# Altium PCB 创世一号.PcbDoc (part 2 of 2)
Units mm, origin at the board's own origin, x right, y up, seen from the top; angles counter-clockwise.
Board outline 347.35 x 131.83 mm, 2 copper layers (Top Layer, Bottom Layer); 243 components, 173 nets, 1078 pads, 174 vias.
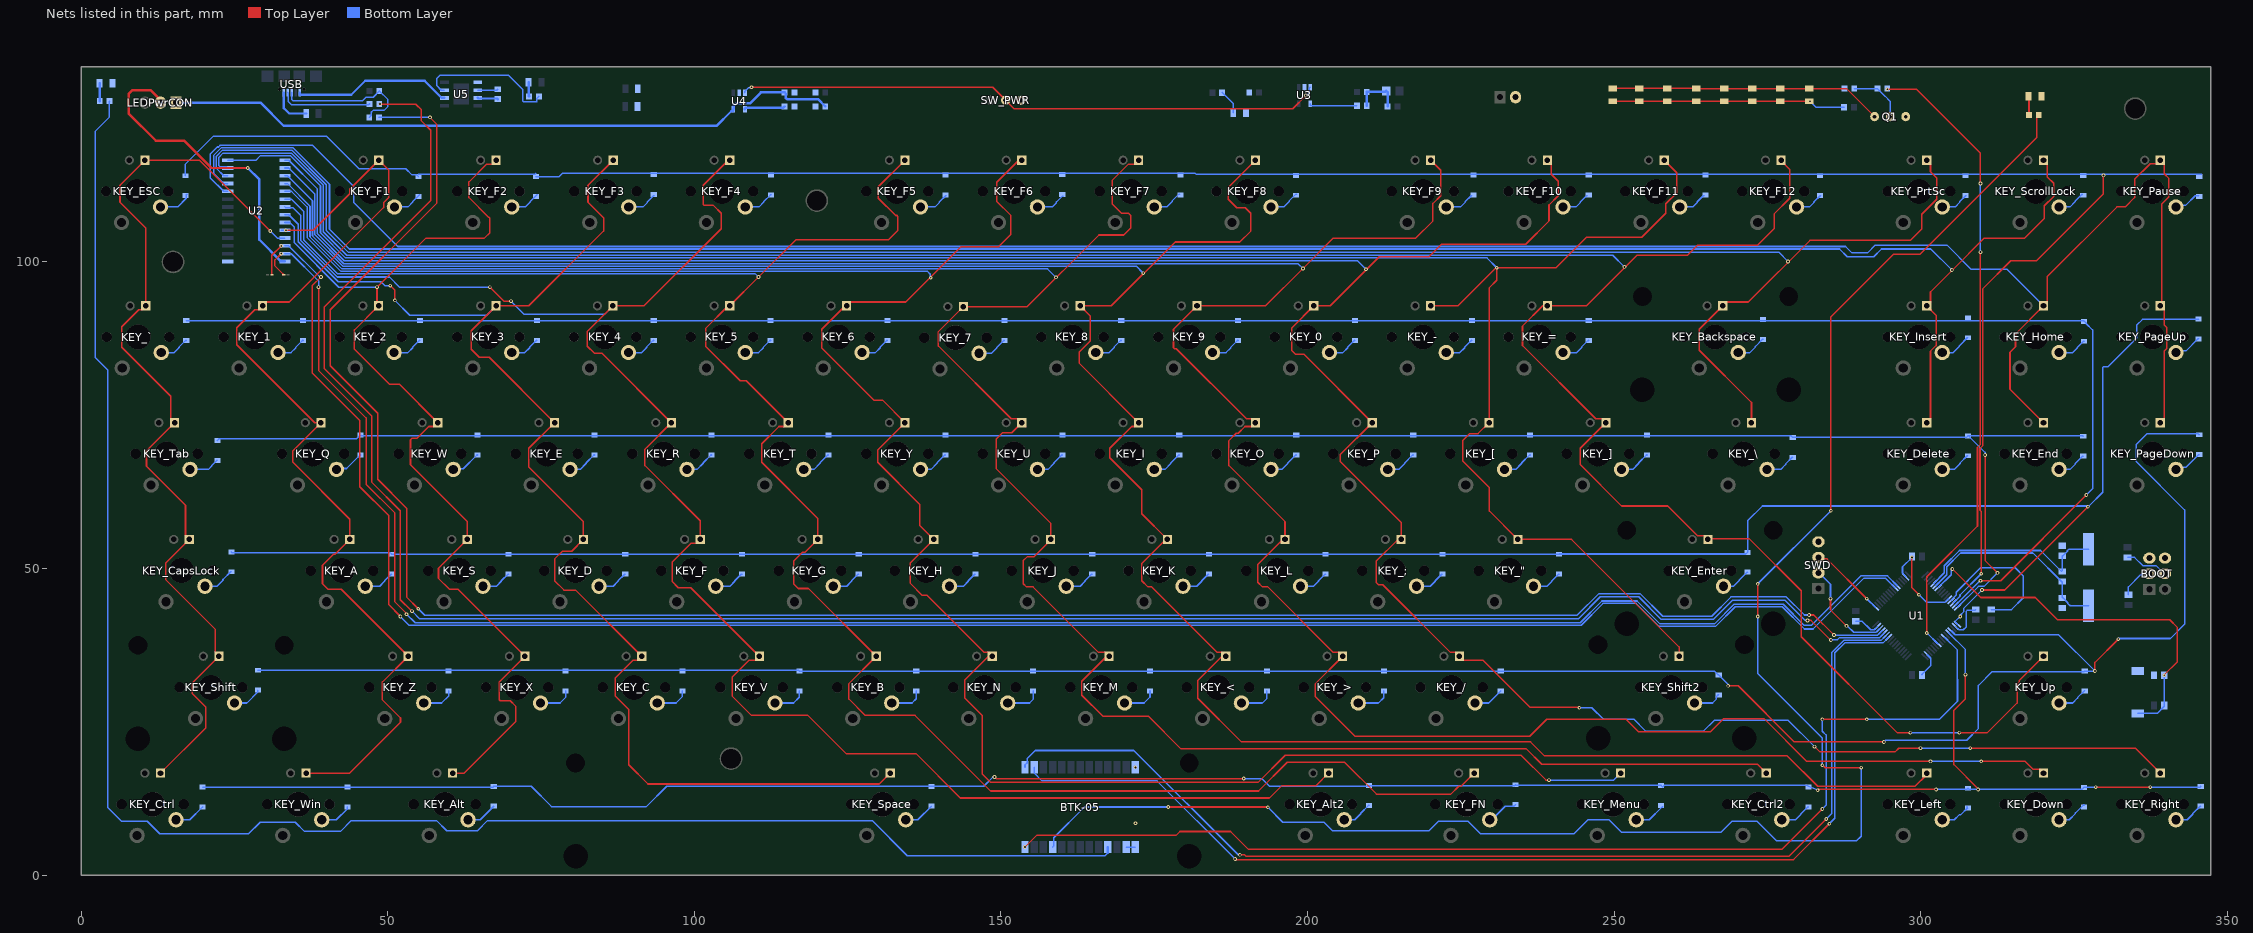
[diagram p2: the nets of this part, all layers, seen from the top]

## Via types
v1: diameter 0.6, hole 0.3, Top Layer to Bottom Layer, 168 vias
v2: diameter 0.5, hole 0.2, Top Layer to Bottom Layer, 6 vias

## Nets (pads, with @x,y where several pads share a name; then routed paths per layer and width w, separated by ;. In a path a pad name is that pad's centre, name@x,y a point inside that pad or via, vN(x,y) a via of type N, cw(c..) or ccw(c..) an arc to the next point about the centre after c; other vN are vias at no path point) (continued)
GND: BOOT.5 BOOT.6 BTK-05.13 BTK-05.22 BTK-05.23 C1.2 C2.2 C3.2 C4.2 C5.2 C6.2 C7.2 C8.2 C9.2 C10.2 C11.2 C12.2 C13.2 C14.2 C15.2 C16.2 C18.1 C19.1 CAPS_LED.2 PWR.2 Q1.3 R16.2 RPROG.1 S1.2 STATE_LED.2 SW_PWR.1 SWD.4 U1.12 U1.18 U1.31 U1.47 U1.63 U2.1 U3.2 U4.2 U5.1 U5.3 U5.6 USB.5 VBat.2 | length 70.2
  Top Layer w0.254: v1(298.577,51.816) 298.577,46.863 v1(299.72,45.72)
  Bottom Layer w0.254: BTK-05.23@170.441,4.572 BTK-05.22@171.941,4.572 ; C3.2@289.433,41.402 290.449,41.402 291.852,39.999 292.418,39.999 292.978,40.559 U1.47@293.01,40.559 ; U1.63@297.607,48.62 297.607,48.652 297.047,49.212 297.047,50.286 v1(298.577,51.816) ; v1(299.72,45.72) 300.916,44.524 304.015,44.524 304.574,45.084 U1.12@304.607,45.084 ; C5.2@300.228,32.639 300.228,32.766 301.631,34.169 301.631,35.37 301.071,35.93 U1.31@301.071,35.962 ; U1.18@305.668,40.559 305.7,40.559 306.26,39.999 306.953,39.999 307.467,40.513 307.467,43.053 307.616,43.202 308.886,43.202 C6.2@308.991,43.307
  Bottom Layer w0.4: USB.5@35.66,127.627 35.66,127.254 44.069,127.254 46.355,129.54 56.032,129.54 58.826,126.746 U5.6@59.251,126.746 ; U5.3@64.701,126.746 64.798,126.649 67.848,126.649 RPROG.1@67.945,126.552 ; C14.2@209.677,125.476 C16.2@209.677,127.717 212.68,127.717 C7.2@212.852,127.889 213.068,127.673 C15.2@213.068,125.349
  other v1: 171.958,8.46 171.941,17.572
I2C1_SCL: R8.2 U1.58 U2.26 | length 329.4
  Top Layer w0.254: R8.2@31.115,97.917 31.115,101.092 v1(32.639,102.616) ; v1(39.116,97.536) 37.719,96.139 37.719,81.875 45.466,74.128 45.466,63.333 50.165,58.634 50.165,44.129 52.07,42.224 v1(52.07,42.164)
  Bottom Layer w0.254: U2.26@33.25,102.616 33.875,102.616 38.889,97.602 39.05,97.602 v1(39.116,97.536) ; v1(52.07,42.164) 53.49,40.744 56.388,40.744 244.642,40.744 248.198,44.3 253.579,44.3 257.262,40.617 266.613,40.617 269.75,43.753 277.43,43.753 281.051,40.132 282.448,40.132 290.703,48.387 294.304,48.387 U1.58@295.839,46.852
I2C1_SDA: R14.2 U1.59 U2.27 | length 325.5
  Top Layer w0.254: v1(32.639,101.346) 31.623,100.33 31.623,99.354 32.937,98.04 32.937,97.94 32.96,97.917 R14.2@33.06,97.917 ; v1(38.735,95.885) 38.735,82.296 46.482,74.549 46.482,63.754 51.181,59.055 51.181,44.55 53.086,42.645 v1(53.086,42.545)
  Bottom Layer w0.254: U2.27@33.25,101.346 34.29,101.346 38.735,96.901 v1(38.735,95.885) ; v1(53.086,42.545) 54.483,41.148 56.388,41.148 244.475,41.148 248.031,44.704 253.746,44.704 257.429,41.021 266.446,41.021 269.582,44.157 277.597,44.157 280.987,40.767 282.194,40.767 290.218,48.791 294.607,48.791 U1.59@296.192,47.205
LED: R15.2 U1.26 | length 104
  Top Layer w0.254: v1(294.58,128.152) 299.33,128.152 309.753,117.729 v1(309.753,112.776) ; v1(300.99,39.497) 300.99,48.641 309.28,56.931 309.28,69.748 309.753,70.221 v1(309.753,101.6)
  Bottom Layer w0.254: v1(300.99,39.497) 301.04,39.497 302.807,37.73 U1.26@302.839,37.73 U1.26@302.839,37.698 ; v1(309.753,101.6) v1(309.753,112.776)
LED3V3: C11.1 C12.1 LEDPwrCON.1 U4.5 | length 111.5
  Bottom Layer w0.4: LEDPwrCON.1@15.494,125.984 29.25,125.984 33.06,122.174 103.651,122.174 106.04,124.563 106.265,124.563 106.365,124.663 U4.5@106.365,124.888 106.465,124.988 106.465,125.515 106.807,125.857 109.093,125.857 110.871,127.635 C11.1@114.732,127.635 114.935,127.432 114.935,126.726 115.169,126.492 120.243,126.492 121.361,125.374 C12.1@121.361,125.349
LRow0: KEY_`.3 KEY_CapsLock.3 KEY_Ctrl.3 KEY_ESC.3 KEY_Shift.3 KEY_Tab.3 U2.25 | length 152.6
  Top Layer w0.254: KEY_Ctrl.3@12.954,16.637 20.32,24.003 20.32,27.432 18.161,29.591 18.161,31.369 KEY_Shift.3@22.479,35.687 21.856,36.31 21.856,40.12 13.843,48.133 13.843,50.927 KEY_CapsLock.3@17.653,54.737 17.03,55.36 17.03,60.313 10.668,66.675 10.668,69.215 KEY_Tab.3@15.24,73.787 14.617,74.41 14.617,78.093 6.627,86.083 6.627,89.431 9.41,92.214 9.918,92.214 KEY_`.3@10.541,92.837 10.541,105.537 6.35,109.728 6.35,112.522 KEY_ESC.3@10.414,116.586 19.304,116.586 v1(30.861,105.029)
  Bottom Layer w0.254: v1(30.861,105.029) 32.004,103.886 U2.25@33.25,103.886
LRow1: KEY_1.3 KEY_A.3 KEY_F1.3 KEY_Q.3 KEY_Win.3 KEY_Z.3 U2.24 | length 169.1
  Top Layer w0.254: v1(33.401,105.156) 37.846,105.156 43.815,111.125 43.815,111.849 KEY_F1.3@48.552,116.586 50.165,114.973 50.165,110.49 49.34,109.665 49.34,108.864 33.936,93.46 30.214,93.46 KEY_1.3@29.591,92.837 28.968,92.214 28.333,92.214 25.4,89.281 25.4,86.487 38.1,73.787 KEY_Q.3@39.116,73.787 34.544,69.215 34.544,67.31 43.815,58.039 KEY_A.3@43.815,54.737 41.408,52.33 41.154,52.33 39.37,50.546 39.37,47.498 40.259,46.609 42.418,46.609 KEY_Z.3@53.34,35.687 49.149,31.496 49.149,28.575 52.092,25.632 52.092,24.914 43.815,16.637 KEY_Win.3@36.703,16.637
  Bottom Layer w0.254: U2.24@32.625,105.156 U2.24@33.25,105.156 v1(33.401,105.156)
LRow2: KEY_2.3 KEY_Alt.3 KEY_F2.3 KEY_S.3 KEY_W.3 KEY_X.3 U2.23 | length 170.6
  Top Layer w0.254: KEY_Alt.3@60.579,16.637 62.484,16.637 70.866,25.019 70.866,27.559 69.977,28.448 68.348,28.448 68.199,28.597 68.199,31.496 KEY_X.3@72.39,35.687 61.468,46.609 60.071,46.609 58.293,48.387 58.293,50.038 KEY_S.3@62.992,54.737 62.992,57.658 53.721,66.929 53.721,70.993 53.975,71.247 54.8,71.247 56.717,73.164 57.543,73.164 KEY_W.3@58.166,73.787 51.875,80.078 50.245,80.078 44.577,85.747 44.577,88.9 KEY_2.3@48.514,92.837 48.26,93.091 v1(48.26,95.885) 56.261,103.886 65.786,103.886 66.675,104.775 66.675,107.166 66.526,107.315 66.421,107.315 63.246,110.49 63.246,113.03 66.179,115.963 67.068,115.963 KEY_F2.3@67.691,116.586
  Bottom Layer w0.254: U2.23@33.25,106.426 34.036,106.426 34.798,105.664 34.798,103.124 42.037,95.885 v1(48.26,95.885)
LRow3: KEY_3.3 KEY_C.3 KEY_D.3 KEY_E.3 KEY_F3.3 KEY_Space.3 U2.22 | length 227.6
  Top Layer w0.254: v1(50.419,96.139) 51.181,95.377 v1(51.181,93.726) ; KEY_F3.3@86.779,116.586 82.677,112.484 82.677,109.75 85.217,107.21 85.217,105.029 73.025,92.837 KEY_3.3@67.691,92.837 63.627,88.773 63.627,85.747 64.919,84.455 66.548,84.455 KEY_E.3@77.216,73.787 73.025,69.596 73.025,66.548 81.915,57.658 KEY_D.3@81.915,54.737 80.005,52.827 78.503,52.827 77.216,51.54 77.216,48.006 78.74,46.482 80.645,46.482 KEY_C.3@91.44,35.687 90.817,35.064 90.055,35.064 87.122,32.131 87.122,29.21 89.319,27.013 89.319,17.996 92.456,14.859 130.175,14.859 KEY_Space.3@131.953,16.637
  Bottom Layer w0.254: U2.22@33.25,107.696 33.875,107.696 35.433,106.138 35.433,103.273 41.932,96.774 48.879,96.774 49.514,96.139 v1(50.419,96.139) ; v1(51.181,93.726) 53.594,91.313 66.167,91.313 KEY_3.3@67.691,92.837
LRow4: KEY_4.3 KEY_Alt2.3 KEY_F4.3 KEY_F.3 KEY_R.3 KEY_V.3 U2.21 | length 296.9
  Top Layer w0.254: v1(66.675,95.885) 68.961,93.599 v1(70.104,93.599) ; KEY_F4.3@105.791,116.586 105.537,116.586 101.473,112.522 101.473,109.369 101.622,109.22 103.124,109.22 104.394,107.95 104.394,105.41 91.821,92.837 KEY_4.3@86.741,92.837 82.55,88.646 82.55,86.255 83.715,85.09 84.963,85.09 KEY_R.3@96.266,73.787 91.948,69.469 91.948,66.802 100.965,57.785 KEY_F.3@100.965,54.737 100.342,54.114 99.453,54.114 96.393,51.054 96.393,47.879 97.409,46.863 99.441,46.863 KEY_V.3@110.617,35.687 109.994,35.064 108.978,35.064 106.172,32.258 106.172,29.21 109.347,26.035 118.541,26.035 124.764,19.812 136.144,19.812 143.383,12.573 193.802,12.573 195.834,14.605 201.422,14.605 KEY_Alt2.3@203.454,16.637
  Bottom Layer w0.254: U2.21@33.25,108.966 33.389,108.827 34.556,108.827 35.814,107.569 35.814,106.328 35.837,106.305 35.837,103.482 41.783,97.536 50.292,97.536 51.943,95.885 v1(66.675,95.885) ; v1(70.104,93.599) 72.263,91.44 85.344,91.44 KEY_4.3@86.741,92.837
LRow5: KEY_5.3 KEY_B.3 KEY_F5.3 KEY_FN.3 KEY_G.3 KEY_T.3 U2.20 | length 334.6
  Top Layer w0.254: KEY_F5.3@134.366,116.586 130.026,112.246 130.026,110.385 132.842,107.569 133.074,107.569 133.223,107.42 133.223,105.156 131.699,103.632 116.586,103.632 v1(110.49,97.536) KEY_5.3@105.791,92.837 105.559,92.837 101.854,89.132 101.854,86.233 107.482,80.605 108.498,80.605 KEY_T.3@115.316,73.787 114.693,73.164 113.804,73.164 110.998,70.358 110.998,67.31 120.142,58.166 KEY_G.3@120.142,54.737 118.052,52.647 117.671,52.647 116.205,51.181 116.205,47.498 116.967,46.736 118.618,46.736 KEY_B.3@129.667,35.687 125.222,31.242 125.222,28.702 127.889,26.035 136.003,26.035 148.322,13.716 192.024,13.716 196.723,18.415 206.057,18.415 211.264,13.208 223.393,13.208 224.663,14.478 225.044,14.478 KEY_FN.3@227.203,16.637
  Bottom Layer w0.254: U2.20@33.25,110.236 33.262,110.224 34.336,110.224 36.322,108.238 36.322,103.568 41.846,98.044 109.982,98.044 v1(110.49,97.536)
LRow6: KEY_6.3 KEY_F6.3 KEY_H.3 KEY_Menu.3 KEY_N.3 KEY_Y.3 U2.19 | length 370.8
  Top Layer w0.254: KEY_F6.3@153.416,116.586 152.93,116.586 149.352,113.008 149.352,109.855 151.638,107.569 151.638,104.521 149.606,102.489 143.51,102.489 134.481,93.46 125.464,93.46 KEY_6.3@124.841,92.837 124.609,92.837 120.777,89.005 120.777,85.979 129.286,77.47 130.683,77.47 KEY_Y.3@134.366,73.787 129.921,69.342 129.921,67.31 136.779,60.452 136.779,57.023 KEY_H.3@139.065,54.737 135.255,50.927 135.255,47.563 137.16,45.658 137.953,45.658 147.301,36.31 148.094,36.31 148.336,36.068 144.145,31.877 144.145,28.851 146.939,26.057 146.939,16.51 148.336,15.113 191.92,15.113 196.365,19.558 234.823,19.558 238.887,15.494 v1(239.395,15.494)
  Bottom Layer w0.254: U2.19@33.25,111.506 33.262,111.494 34.336,111.494 36.864,108.966 36.864,103.979 42.395,98.448 138.049,98.448 138.491,98.006 138.491,97.475 v1(138.557,97.409) ; v1(239.395,15.494) 249.936,15.494 KEY_Menu.3@251.079,16.637
LRow7: KEY_7.3 KEY_Ctrl2.3 KEY_F7.3 KEY_J.3 KEY_M.3 KEY_U.3 U2.18 | length 390
  Top Layer w0.254: KEY_U.3@154.039,73.164 KEY_U.3@153.416,73.787 ; KEY_F7.3@172.466,116.586 171.843,115.963 170.827,115.963 168.148,113.284 168.148,109.474 169.672,107.95 170.815,107.95 171.196,107.569 171.196,105.537 170.053,104.394 165.989,104.394 154.305,92.71 KEY_7.3@143.891,92.71 139.827,88.646 139.827,86.288 151.705,74.41 152.793,74.41 KEY_U.3@153.416,73.787 ; KEY_Ctrl2.3@274.828,16.637 273.397,18.068 238.218,18.068 235.712,20.574 179.387,20.574 174.03,25.931 166.601,25.931 163.195,29.337 163.195,31.623 167.259,35.687 KEY_M.3@167.64,35.687 167.017,36.31 165.937,36.31 155.257,46.99 154.178,46.99 153.67,47.498 153.67,51.286 154.327,51.943 155.448,51.943 158.115,54.61 KEY_J.3@158.115,54.737 158.115,57.404 149.225,66.294 149.225,71.098 150.258,72.131 151.76,72.131 KEY_U.3@153.416,73.787
  Bottom Layer w0.254: U2.18@33.25,112.776 33.655,112.776 37.338,109.093 37.338,104.076 42.562,98.852 157.627,98.852 v1(159.004,97.475)
LRow8: KEY_8.3 KEY_<.3 KEY_F8.3 KEY_I.3 KEY_K.3 KEY_Left.3 U2.17 | length 410.6
  Top Layer w0.254: KEY_F8.3@191.516,116.586 187.071,112.141 187.071,110.236 188.468,108.839 189.865,108.839 190.754,107.95 190.754,105.283 190.776,105.261 190.776,105.051 188.976,103.251 178.435,103.251 168.021,92.837 KEY_8.3@162.941,92.837 164.592,91.186 164.592,87.122 162.814,85.344 162.814,83.439 KEY_I.3@172.466,73.787 171.843,73.164 171.335,73.164 167.767,69.596 167.767,68.072 172.98,62.859 172.98,58.922 KEY_K.3@177.165,54.737 176.911,54.737 172.98,50.806 172.98,48.022 174.012,46.99 174.625,46.99 185.305,36.31 186.067,36.31 KEY_<.3@186.69,35.687 186.055,35.687 182.118,31.75 182.118,28.829 189.23,21.717 236.376,21.717 238.662,19.431 278.257,19.431 283.21,14.478 299.085,14.478 300.99,16.383 KEY_Left.3@300.99,16.637
  Bottom Layer w0.254: U2.17@33.25,114.046 33.655,114.046 37.742,109.959 37.742,104.244 42.672,99.314 172.085,99.314 v1(173.228,98.171)
LRow9: KEY_9.3 KEY_>.3 KEY_Down.3 KEY_F9.3 KEY_L.3 KEY_O.3 U2.16 | length 448.6
  Top Layer w0.254: KEY_F9.3@220.091,116.586 221.742,114.935 221.742,110.808 220.472,109.538 220.472,106.68 217.678,103.886 204.216,103.886 v1(199.263,98.933) 193.167,92.837 KEY_9.3@181.991,92.837 178.159,89.005 178.159,86.001 178.308,85.852 178.625,85.852 190.067,74.41 190.893,74.41 KEY_O.3@191.516,73.787 190.893,73.164 189.805,73.164 188.72,72.078 188.41,72.078 187.198,70.866 187.198,66.802 196.342,57.658 KEY_L.3@196.342,54.737 195.961,54.737 191.897,50.673 191.897,47.752 192.659,46.99 193.548,46.99 204.228,36.31 205.117,36.31 KEY_>.3@205.74,35.687 201.295,31.242 201.295,29.083 207.749,22.629 236.243,22.629 239.014,25.4 251.968,25.4 254,23.368 265.717,23.368 267.876,25.527 274.447,25.527 281.432,18.542 v1(301.625,18.542) ; v1(309.88,18.542) 317.047,18.542 318.329,17.26 319.417,17.26 KEY_Down.3@320.04,16.637
  Bottom Layer w0.254: U2.16@33.25,115.316 33.875,115.316 38.146,111.045 38.146,104.411 42.839,99.718 198.478,99.718 v1(199.263,98.933) ; v1(301.625,18.542) v1(309.88,18.542)
LRow10: KEY_0.3 KEY_/.3 KEY_;.3 KEY_F10.3 KEY_P.3 KEY_Right.3 U2.15 | length 447.1
  Top Layer w0.254: KEY_F10.3@239.141,116.586 239.764,115.963 239.764,114.312 240.919,113.157 240.919,110.808 239.395,109.284 239.395,106.68 235.585,102.87 221.869,102.87 219.837,100.838 211.709,100.838 203.708,92.837 KEY_0.3@201.041,92.837 197.462,89.258 197.462,85.516 198.015,84.963 199.39,84.963 KEY_P.3@210.566,73.787 205.359,68.58 205.359,67.437 215.265,57.531 215.265,54.737 214.757,54.737 211.201,51.181 211.201,47.774 211.604,47.371 212.28,47.371 223.341,36.31 224.167,36.31 KEY_/.3@224.79,35.687 225.413,35.064 228.588,35.064 236.284,27.368 244.284,27.368 v1(244.348,27.305) ; v1(282.702,20.955) 283.576,20.081 295.828,20.081 296.448,20.701 v1(299.974,20.701) ; v1(308.102,20.701) 335.026,20.701 KEY_Right.3@339.09,16.637
  Bottom Layer w0.254: U2.15@33.25,116.586 33.875,116.586 38.55,111.911 38.55,104.578 42.925,100.203 208.153,100.203 v1(209.55,98.806) ; v1(244.348,27.305) 246.38,27.305 248.285,25.4 253.238,25.4 255.143,23.495 264.606,23.495 266.384,25.273 278.384,25.273 v1(282.702,20.955) ; v1(299.974,20.701) v1(308.102,20.701)
LRow11: "KEY_\".3" KEY_-.3 KEY_[.3 KEY_F11.3 KEY_Shift2.3 U2.14 | length 360.4
  Top Layer w0.254: KEY_-.3@220.091,92.837 224.536,92.837 230.759,99.06 v1(230.886,99.06) ; KEY_F11.3@258.191,116.586 260.223,114.554 260.223,111.252 258.445,109.474 258.445,107.95 254.508,104.013 245.491,104.013 240.538,99.06 v1(230.886,99.06) ; KEY_Shift2.3@260.604,35.687 260.604,37.211 243.078,54.737 234.315,54.737 229.685,59.367 229.685,63.177 225.298,67.564 225.298,70.844 226.458,72.004 227.833,72.004 KEY_[.3@229.616,73.787 229.616,95.758 230.886,97.028 v1(230.886,99.06)
  Bottom Layer w0.254: U2.14@23.9,116.586 28.519,116.586 29.281,117.348 34.105,117.348 39.05,112.403 39.05,104.74 43.145,100.645 229.301,100.645 v1(230.886,99.06)
LRow12: KEY_=.3 KEY_].3 KEY_Enter.3 KEY_F12.3 KEY_Up.3 U2.13 | length 440.8
  Top Layer w0.254: KEY_F12.3@277.241,116.586 277.864,115.963 277.864,115.859 278.638,115.085 278.638,110.375 276.098,107.835 276.098,105.41 273.431,102.743 263.652,102.743 262.001,101.092 253.746,101.092 245.491,92.837 KEY_=.3@239.141,92.837 238.379,92.837 235.077,89.535 235.077,86.36 247.027,74.41 248.043,74.41 KEY_].3@248.666,73.787 244.475,69.596 244.475,66.951 251.234,60.192 258.76,60.192 263.592,55.36 264.68,55.36 KEY_Enter.3@265.303,54.737 265.452,54.886 272.012,54.886 280.543,46.355 280.543,38.862 296.164,23.241 v1(298.323,23.241) ; v1(306.324,23.241) 310.896,23.241 315.722,28.067 315.722,31.115 316.103,31.496 316.103,31.75 KEY_Up.3@320.04,35.687
  Bottom Layer w0.254: U2.13@23.9,115.316 23.727,115.489 22.687,115.489 22.479,115.697 22.479,117.072 23.159,117.752 34.272,117.752 39.497,112.527 39.497,104.925 43.33,101.092 249.809,101.092 v1(251.714,99.187) ; v1(298.323,23.241) v1(306.324,23.241)
LRow13: KEY_\.3 KEY_Backspace.3 KEY_PrtSc.3 U2.12 | length 347.7
  Top Layer w0.254: KEY_\.3@272.415,73.787 272.415,77.089 263.906,85.598 263.906,89.027 KEY_Backspace.3@267.716,92.837 268.339,93.46 271.895,93.46 281.94,103.505 298.323,103.505 300.176,105.358 300.176,107.772 302.641,110.237 302.641,113.665 301.613,114.693 301.613,115.963 KEY_PrtSc.3@300.99,116.586
  Bottom Layer w0.254: U2.12@23.9,114.046 23.275,114.046 22.075,115.246 22.075,117.24 23.072,118.237 34.358,118.237 40.005,112.59 40.005,105.135 43.54,101.6 276.86,101.6 v1(278.384,100.076)
LRow14: KEY_Delete.3 KEY_Insert.3 KEY_ScrollLock.3 U2.11 | length 360.7
  Top Layer w0.254: KEY_Delete.3@300.99,73.787 301.613,74.41 301.613,85.46 302.527,86.373 302.527,91.3 KEY_Insert.3@300.99,92.837 301.613,93.46 301.613,95.111 305.1,98.598 v1(305.1,98.679) 305.181,98.679 310.388,103.886 316.992,103.886 320.167,107.061 320.167,109.156 321.691,110.68 321.691,112.839 320.663,113.867 320.663,115.963 KEY_ScrollLock.3@320.04,116.586
  Bottom Layer w0.254: U2.11@23.9,112.776 23.275,112.776 21.671,114.38 21.671,117.429 22.883,118.641 34.526,118.641 40.513,112.654 40.513,105.346 43.751,102.108 286.766,102.108 288.036,100.838 292.354,100.838 293.624,102.108 301.671,102.108 v1(305.1,98.679)
LRow15: KEY_End.3 KEY_Home.3 KEY_PageDown.3 KEY_PageUp.3 KEY_Pause.3 U2.10 | length 422.1
  Top Layer w0.254: KEY_End.3@320.04,73.787 314.579,79.248 314.579,85.281 315.468,86.169 315.468,88.265 KEY_Home.3@320.04,92.837 320.663,93.46 320.663,97.614 332.015,108.966 333.375,108.966 334.899,110.49 334.899,113.483 337.443,116.026 338.53,116.026 KEY_Pause.3@339.09,116.586 339.713,115.963 339.713,114.375 340.487,113.601 340.487,110.617 339.344,109.474 339.344,93.091 KEY_PageUp.3@339.09,92.837 339.713,92.214 339.713,89.715 340.129,89.299 340.129,85.876 339.713,85.46 339.713,74.41 KEY_PageDown.3@339.09,73.787
  Bottom Layer w0.254: U2.10@23.9,111.506 23.275,111.506 21.082,113.699 21.082,117.602 22.225,118.745 22.416,118.745 22.716,119.045 37.741,119.045 44.45,112.336 44.45,109.728 51.666,102.512 287.759,102.512 288.798,101.473 291.338,101.473 292.608,102.743 304.292,102.743 308.229,98.806 314.071,98.806 KEY_Home.3@320.04,92.837
NetBOOT_3: BOOT.3 R3.1 | length 5.6
  Bottom Layer w0.254: R3.1@333.883,45.72 333.883,46.99 335.915,49.022 337.185,49.022 BOOT.3@337.312,49.149
NetBOOT_4: BOOT.4 R4.2 | length 7.2
  Bottom Layer w0.254: R4.2@333.756,51.816 334.899,51.816 336.296,50.419 338.455,50.419 339.725,49.149 BOOT.4@339.852,49.149
NetBTK-05_25: BTK-05.25 R7.1 | length 288.9
  Bottom Layer w0.254: R7.1@4.648,126.238 4.572,126.162 4.572,123.571 2.286,121.285 2.286,84.455 4.318,82.423 4.318,11.049 6.604,8.763 10.795,8.763 12.827,6.731 27.305,6.731 29.21,8.636 34.925,8.636 36.434,7.127 42.291,7.127 44.054,8.89 57.981,8.89 59.632,7.239 64.643,7.239 66.294,8.89 129.032,8.89 134.747,3.175 166.994,3.175 BTK-05.25@167.441,3.622
  Bottom Layer w0.4: BTK-05.25@167.441,3.622 BTK-05.25@167.441,4.572
NetBTK-05_31: BTK-05.31 R6.1 | length 292.2
  Top Layer w0.254: v1(177.292,11.111) 193.511,11.111 v1(193.548,11.074) ; v1(273.431,42.164) v1(273.431,47.498) ; v1(283.972,17.907) 284.066,17.907 284.447,17.526 v1(290.322,17.526) ; v1(285.369,59.425) 285.369,91.059 295.529,101.219 299.847,101.219 318.93,120.302 318.93,123.604 R6.1@319.278,123.952
  Bottom Layer w0.254: BTK-05.31@158.441,4.572 158.623,4.754 158.623,6.096 163.638,11.111 v1(177.292,11.111) ; v1(193.548,11.074) 195.986,8.636 202.692,8.636 204.089,7.239 219.837,7.239 221.361,8.763 226.187,8.763 228.219,6.731 243.459,6.731 245.745,9.017 249.174,9.017 251.206,6.985 267.462,6.985 269.24,8.763 273.304,8.763 276.479,5.588 289.56,5.588 290.322,6.35 v1(290.322,17.526) ; v1(273.431,42.164) 273.431,32.893 283.972,22.352 v1(283.972,17.907) ; v1(273.431,47.498) 273.436,47.498 285.364,59.425 v1(285.369,59.425)
NetC10_1: C10.1 U4.4 | length 6.7
  Bottom Layer w0.4: U4.4@108.265,124.888 108.265,125.019 108.365,125.119 114.501,125.119 C10.1@114.732,125.349
NetC14_1: C14.1 U3.4 | length 7.9
  Bottom Layer w0.254: U3.4@200.467,125.82 200.467,125.649 200.64,125.476 C14.1@208.077,125.476
NetCAPS_LED_1: CAPS_LED.1 R6.2 | length 3.1
  Top Layer w0.254: CAPS_LED.1@317.593,127 317.678,126.915 R6.2@317.678,123.952
NetD2_1: D2.1 KEY_ESC.1 | length 5.5
  Bottom Layer w0.254: KEY_ESC.1@12.954,108.966 15.748,108.966 17.172,110.39 17.172,110.96 D2.1@17.272,111.06
NetD3_1: D3.1 KEY_F1.1 | length 5
  Bottom Layer w0.254: KEY_F1.1@51.092,108.966 53.299,108.966 54.096,109.763 54.096,109.863 55.166,110.933 D3.1@55.266,110.933
NetD4_1: D4.1 KEY_F2.1 | length 5.1
  Bottom Layer w0.254: KEY_F2.1@70.231,108.966 72.455,108.966 73.252,109.763 73.252,109.863 74.322,110.933 D4.1@74.422,110.933
NetD5_1: D5.1 KEY_F3.1 | length 5
  Bottom Layer w0.254: KEY_F3.1@89.319,108.966 91.632,108.966 92.365,109.699 92.365,109.799 93.372,110.806 D5.1@93.472,110.806
NetD6_1: D6.1 KEY_F4.1 | length 5.1
  Bottom Layer w0.254: KEY_F4.1@108.331,108.966 110.555,108.966 111.352,109.763 111.352,109.863 112.422,110.933 D6.1@112.522,110.933
NetD7_1: D7.1 KEY_F5.1 | length 5
  Bottom Layer w0.254: KEY_F5.1@136.906,108.966 139.257,108.966 139.99,109.699 139.99,109.799 140.997,110.806 D7.1@141.097,110.806
NetD8_1: D8.1 KEY_F6.1 | length 5
  Bottom Layer w0.254: KEY_F6.1@155.956,108.966 158.369,108.966 159.071,109.668 159.071,109.768 160.047,110.744 D8.1@160.147,110.744
NetD9_1: D9.1 KEY_F7.1 | length 5.1
  Bottom Layer w0.254: KEY_F7.1@175.006,108.966 177.061,108.966 177.921,109.826 177.921,109.926 179.055,111.06 D9.1@179.155,111.06
NetD10_1: D10.1 KEY_F8.1 | length 5.1
  Bottom Layer w0.254: KEY_F8.1@194.056,108.966 196.153,108.966 197.013,109.826 197.013,109.926 198.147,111.06 D10.1@198.247,111.06
NetD11_1: D11.1 KEY_F9.1 | length 5
  Bottom Layer w0.254: KEY_F9.1@222.631,108.966 224.971,108.966 225.705,109.699 225.705,109.799 226.711,110.806 D11.1@226.811,110.806
NetD12_1: D12.1 KEY_F10.1 | length 4.8
  Bottom Layer w0.254: KEY_F10.1@241.681,108.966 243.778,108.966 244.511,109.699 244.511,109.799 245.518,110.806 D12.1@245.618,110.806
NetD13_1: D13.1 KEY_F11.1 | length 4.8
  Bottom Layer w0.254: KEY_F11.1@260.731,108.966 262.828,108.966 263.561,109.699 263.561,109.799 264.568,110.806 D13.1@264.668,110.806
NetD14_1: D14.1 KEY_F12.1 | length 4.8
  Bottom Layer w0.254: KEY_F12.1@279.781,108.966 281.878,108.966 282.611,109.699 282.611,109.799 283.618,110.806 D14.1@283.718,110.806